# Altium PCB DL-5新款球锁 - 拼板-20201231.PcbDoc (part 3 of 9)
Units mm, origin at the board's own origin, x right, y up, seen from the top; angles counter-clockwise.
Board outline 55.99 x 50 mm, 4 copper layers (Top Layer, POWER, GND, Bottom Layer); 388 components, 70 nets, 1224 pads, 536 vias.
Unrouted connection lines stored in the file: 276.
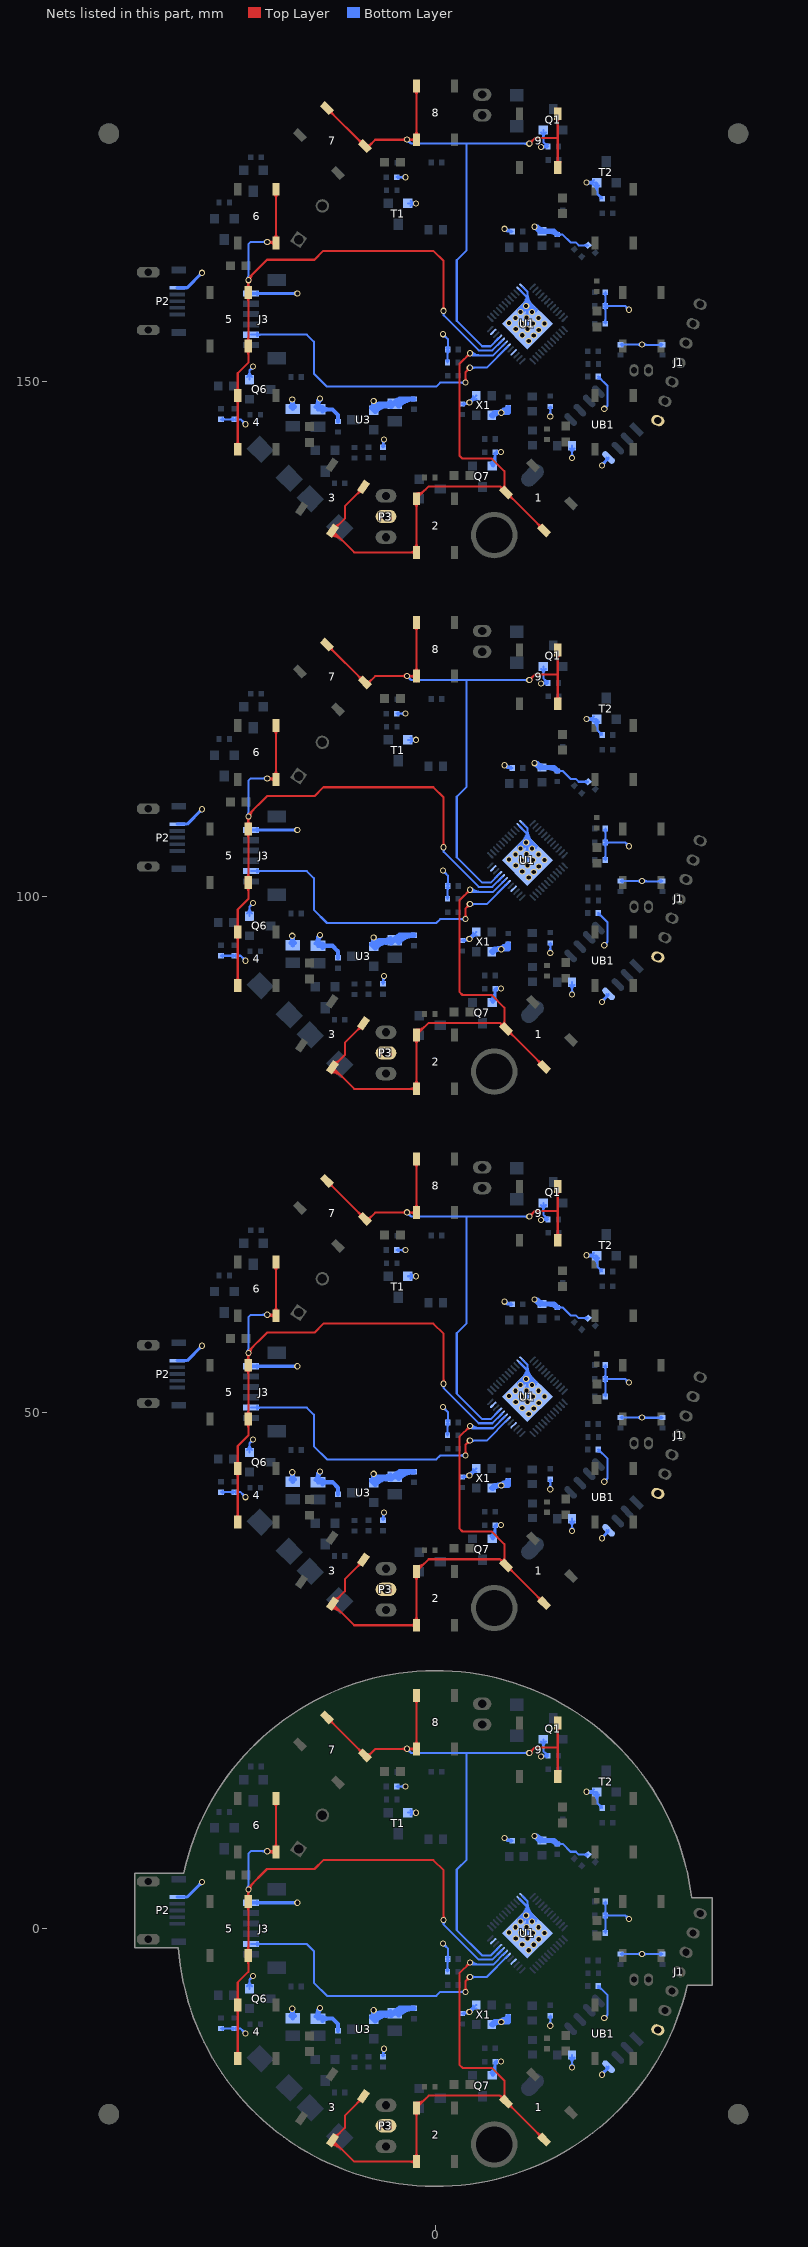
[diagram p5: the nets of this part, all layers, seen from the top]

## Via types
v1: diameter 0.6, hole 0.4, Top Layer to Bottom Layer, 440 vias
v2: diameter 0.6, hole 0.4, Top Layer to Bottom Layer, tented both sides, 48 vias
v3: diameter 0.61, hole 0.406, Top Layer to Bottom Layer, 24 vias
v4: diameter 0.61, hole 0.4, Top Layer to Bottom Layer, 16 vias
v5: diameter 0.61, hole 0.406, Top Layer to Bottom Layer, tented both sides, 8 vias

## Nets (pads, with @x,y where several pads share a name; then routed paths per layer and width w, separated by ;. In a path a pad name is that pad's centre, name@x,y a point inside that pad or via, vN(x,y) a via of type N, cw(c..) or ccw(c..) an arc to the next point about the centre after c; other vN are vias at no path point) (continued)
GND: (continued)
  Bottom Layer w0.4: C6.2@-14.066,-8.485 ccw(c-14.592,-7.959) -13.848,-7.959 ccw(c-13.105,-7.959) C6.2@-13.631,-8.485 ; C6.2@-14.066,43.515 ccw(c-14.592,44.041) -13.848,44.041 ccw(c-13.105,44.041) C6.2@-13.631,43.515 ; C6.2@-14.066,95.515 ccw(c-14.592,96.041) -13.848,96.041 ccw(c-13.105,96.041) C6.2@-13.631,95.515 ; C6.2@-14.066,147.515 ccw(c-14.592,148.041) -13.848,148.041 ccw(c-13.105,148.041) C6.2@-13.631,147.515 ; v1@-13.976,-7.835 cw(c-14.269,-8.072) -13.905,-8.17 ; v1@-13.976,44.165 cw(c-14.269,43.928) -13.905,43.83 ; v1@-13.976,96.165 cw(c-14.269,95.928) -13.905,95.83 ; v1@-13.976,148.165 cw(c-14.269,147.928) -13.905,147.83 ; v1@-13.969,-7.843 cw(c-14.259,-8.134) -13.848,-8.134 ; v1@-13.969,44.157 cw(c-14.259,43.866) -13.848,43.866 ; v1@-13.969,96.157 cw(c-14.259,95.866) -13.848,95.866 ; v1@-13.969,148.157 cw(c-14.259,147.866) -13.848,147.866 ; v1(-13.898,-7.772) -13.848,-7.822 C6.2@-13.848,-8.702 ; v1(-13.898,44.228) -13.848,44.178 C6.2@-13.848,43.298 ; v1(-13.898,96.228) -13.848,96.178 C6.2@-13.848,95.298 ; v1(-13.898,148.228) -13.848,148.178 C6.2@-13.848,147.298 ; C2.2@-11.615,-8.518 ccw(c-12.141,-7.992) -11.398,-7.992 ccw(c-10.654,-7.992) C2.2@-11.18,-8.518 ; C2.2@-11.615,43.482 ccw(c-12.141,44.008) -11.398,44.008 ccw(c-10.654,44.008) C2.2@-11.18,43.482 ; C2.2@-11.615,95.482 ccw(c-12.141,96.008) -11.398,96.008 ccw(c-10.654,96.008) C2.2@-11.18,95.482 ; C2.2@-11.615,147.482 ccw(c-12.141,148.008) -11.398,148.008 ccw(c-10.654,148.008) C2.2@-11.18,147.482 ; -11.441,-8.155 cw(c-10.85,-8.313) v1@-11.156,-7.783 ; -11.441,43.845 cw(c-10.85,43.687) v1@-11.156,44.217 ; -11.441,95.845 cw(c-10.85,95.687) v1@-11.156,96.217 ; -11.441,147.845 cw(c-10.85,147.687) v1@-11.156,148.217 ; C2.2@-11.398,-8.401 cw(c-10.501,-8.401) v1@-11.135,-7.767 ; C2.2@-11.398,43.599 cw(c-10.501,43.599) v1@-11.135,44.233 ; C2.2@-11.398,95.599 cw(c-10.501,95.599) v1@-11.135,96.233 ; C2.2@-11.398,147.599 cw(c-10.501,147.599) v1@-11.135,148.233 ; v1(-11.206,-7.696) -11.398,-7.888 C2.2@-11.398,-8.736 -9.988,-8.736 -9.453,-9.271 C3.2@-9.453,-9.906 ; v1(-11.206,44.304) -11.398,44.112 C2.2@-11.398,43.264 -9.988,43.264 -9.453,42.729 C3.2@-9.453,42.094 ; v1(-11.206,96.304) -11.398,96.112 C2.2@-11.398,95.264 -9.988,95.264 -9.453,94.729 C3.2@-9.453,94.094 ; v1(-11.206,148.304) -11.398,148.112 C2.2@-11.398,147.264 -9.988,147.264 -9.453,146.729 C3.2@-9.453,146.094 ; C2.2@-10.977,-8.954 cw(c-10.451,-9.48) -10.451,-8.736 cw(c-10.451,-7.992) C2.2@-10.977,-8.518 ; C2.2@-10.977,43.046 cw(c-10.451,42.52) -10.451,43.264 cw(c-10.451,44.008) C2.2@-10.977,43.482 ; C2.2@-10.977,95.046 cw(c-10.451,94.52) -10.451,95.264 cw(c-10.451,96.008) C2.2@-10.977,95.482 ; C2.2@-10.977,147.046 cw(c-10.451,146.52) -10.451,147.264 cw(c-10.451,148.008) C2.2@-10.977,147.482
  Bottom Layer w0.5: U3.1@-6.206,-8.597 cw(c-5.286,-9.516) -5.286,-8.216 ; U3.1@-6.206,43.403 cw(c-5.286,42.484) -5.286,43.784 ; U3.1@-6.206,95.403 cw(c-5.286,94.484) -5.286,95.784 ; U3.1@-6.206,147.403 cw(c-5.286,146.484) -5.286,147.784 ; U3.1@-6.145,-8.657 ccw(c-6.499,-8.303) -5.999,-8.303 ccw(c-5.498,-8.303) U3.1@-5.852,-8.657 ; U3.1@-6.145,43.343 ccw(c-6.499,43.697) -5.999,43.697 ccw(c-5.498,43.697) U3.1@-5.852,43.343 ; U3.1@-6.145,95.343 ccw(c-6.499,95.697) -5.999,95.697 ccw(c-5.498,95.697) U3.1@-5.852,95.343 ; U3.1@-6.145,147.343 ccw(c-6.499,147.697) -5.999,147.697 ccw(c-5.498,147.697) U3.1@-5.852,147.343 ; U3.1@-5.999,-8.596 ccw(c-5.999,-8.096) -5.645,-8.45 ccw(c-5.291,-8.804) U3.1@-5.792,-8.804 ; v1(-5.999,-7.925) U3.1@-5.999,-8.804 -5.411,-8.216 C4.2@-3.967,-8.216 -3.473,-7.722 C5.2@-2.087,-7.722 ccw(c-2.087,-9.708) C4.2@-3.571,-8.387 ; U3.1@-5.999,43.404 ccw(c-5.999,43.904) -5.645,43.55 ccw(c-5.291,43.196) U3.1@-5.792,43.196 ; v1(-5.999,44.075) U3.1@-5.999,43.196 -5.411,43.784 C4.2@-3.967,43.784 -3.473,44.278 C5.2@-2.087,44.278 ccw(c-2.087,42.292) C4.2@-3.571,43.613 ; U3.1@-5.999,95.404 ccw(c-5.999,95.904) -5.645,95.55 ccw(c-5.291,95.196) U3.1@-5.792,95.196 ; v1(-5.999,96.075) U3.1@-5.999,95.196 -5.411,95.784 C4.2@-3.967,95.784 -3.473,96.278 C5.2@-2.087,96.278 ccw(c-2.087,94.292) C4.2@-3.571,95.613 ; U3.1@-5.999,147.404 ccw(c-5.999,147.904) -5.645,147.55 ccw(c-5.291,147.196) U3.1@-5.792,147.196 ; v1(-5.999,148.075) U3.1@-5.999,147.196 -5.411,147.784 C4.2@-3.967,147.784 -3.473,148.278 C5.2@-2.087,148.278 ccw(c-2.087,146.292) C4.2@-3.571,147.613 ; U3.1@-5.852,-8.95 cw(c-4.079,-10.723) C4.2@-4.079,-8.216 ; U3.1@-5.852,43.05 cw(c-4.079,41.277) C4.2@-4.079,43.784 ; U3.1@-5.852,95.05 cw(c-4.079,93.277) C4.2@-4.079,95.784 ; U3.1@-5.852,147.05 cw(c-4.079,145.277) C4.2@-4.079,147.784 ; -4.82,-8.414 ccw(c-5.002,-7.735) C4.2@-4.393,-8.087 ; -4.82,43.586 ccw(c-5.002,44.265) C4.2@-4.393,43.913 ; -4.82,95.586 ccw(c-5.002,96.265) C4.2@-4.393,95.913 ; -4.82,147.586 ccw(c-5.002,148.265) C4.2@-4.393,147.913 ; -4.71,-8.385 cw(c-4.57,-8.909) C4.2@-4.299,-8.439 ; -4.71,43.615 cw(c-4.57,43.091) C4.2@-4.299,43.561 ; -4.71,95.615 cw(c-4.57,95.091) C4.2@-4.299,95.561 ; -4.71,147.615 cw(c-4.57,147.091) C4.2@-4.299,147.561 ; C4.2@-4.352,-8.398 ccw(c-4.793,-8.838) -4.793,-8.216 ccw(c-4.793,-7.593) C4.2@-4.352,-8.033 ; C4.2@-4.352,43.602 ccw(c-4.793,43.162) -4.793,43.784 ccw(c-4.793,44.407) C4.2@-4.352,43.967 ; C4.2@-4.352,95.602 ccw(c-4.793,95.162) -4.793,95.784 ccw(c-4.793,96.407) C4.2@-4.352,95.967 ; C4.2@-4.352,147.602 ccw(c-4.793,147.162) -4.793,147.784 ccw(c-4.793,148.407) C4.2@-4.352,147.967 ; C4.2@-3.944,-8.055 cw(c-3.202,-8.716) -3.202,-7.722 ; C4.2@-3.944,43.945 cw(c-3.202,43.284) -3.202,44.278 ; C4.2@-3.944,95.945 cw(c-3.202,95.284) -3.202,96.278 ; C4.2@-3.944,147.945 cw(c-3.202,147.284) -3.202,148.278 ; X1.2@5.445,-9.307 5.709,-9.042 7.057,-9.042 C33.1@7.057,-8.56 ; X1.2@5.445,42.693 5.709,42.958 7.057,42.958 C33.1@7.057,43.44 ; X1.2@5.445,94.693 5.709,94.958 7.057,94.958 C33.1@7.057,95.44 ; X1.2@5.445,146.693 5.709,146.958 7.057,146.958 C33.1@7.057,147.44 ; X1.2@5.551,-9.363 cw(c6.324,-10.136) v1@6.324,-9.042 ; X1.2@5.551,42.637 cw(c6.324,41.864) v1@6.324,42.958 ; X1.2@5.551,94.637 cw(c6.324,93.864) v1@6.324,94.958 ; X1.2@5.551,146.637 cw(c6.324,145.864) v1@6.324,146.958 ; 5.857,-9.042 ccw(c5.857,-7.385) C33.1@7.029,-8.557 ; 5.857,42.958 ccw(c5.857,44.615) C33.1@7.029,43.443 ; 5.857,94.958 ccw(c5.857,96.615) C33.1@7.029,95.443 ; 5.857,146.958 ccw(c5.857,148.615) C33.1@7.029,147.443 ; v1@6.42,-9.079 cw(c6.833,-9.177) 6.61,-8.816 ; v1@6.42,42.921 cw(c6.833,42.823) 6.61,43.184 ; v1@6.42,94.921 cw(c6.833,94.823) 6.61,95.184 ; v1@6.42,146.921 cw(c6.833,146.823) 6.61,147.184 ; v1@9.697,8.917 ccw(c10.258,9.478) C41.2@10.258,8.684 ; v1@9.697,60.917 ccw(c10.258,61.478) C41.2@10.258,60.684 ; v1@9.697,112.917 ccw(c10.258,113.478) C41.2@10.258,112.684 ; v1@9.697,164.917 ccw(c10.258,165.478) C41.2@10.258,164.684 ; C41.2@10.108,8.527 ccw(c9.648,8.505) v1@9.648,8.966 ; C41.2@10.108,60.527 ccw(c9.648,60.505) v1@9.648,60.966 ; C41.2@10.108,112.527 ccw(c9.648,112.505) v1@9.648,112.966 ; C41.2@10.108,164.527 ccw(c9.648,164.505) v1@9.648,164.966 ; C41.2@10.109,8.515 ccw(c9.597,8.45) v1(9.597,8.966) v1@9.648,8.966 ; C41.2@10.109,60.515 ccw(c9.597,60.45) v1(9.597,60.966) v1@9.648,60.966 ; C41.2@10.109,112.515 ccw(c9.597,112.45) v1(9.597,112.966) v1@9.648,112.966 ; C41.2@10.109,164.515 ccw(c9.597,164.45) v1(9.597,164.966) v1@9.648,164.966 ; 10.974,8.534 cw(c10.974,7.397) C42.2@11.778,8.201 ; 10.974,60.534 cw(c10.974,59.397) C42.2@11.778,60.201 ; 10.974,112.534 cw(c10.974,111.397) C42.2@11.778,112.201 ; 10.974,164.534 cw(c10.974,163.397) C42.2@11.778,164.201 ; C42.2@11.807,8.204 11.476,8.534 C41.2@10.308,8.534 10.079,8.534 v1@9.648,8.966 ; C42.2@11.807,60.204 11.476,60.534 C41.2@10.308,60.534 10.079,60.534 v1@9.648,60.966 ; C42.2@11.807,112.204 11.476,112.534 C41.2@10.308,112.534 10.079,112.534 v1@9.648,112.966 ; C42.2@11.807,164.204 11.476,164.534 C41.2@10.308,164.534 10.079,164.534 v1@9.648,164.966
  other v1: 6.371,-9.068 9.038,-2.108 9.521,-1.575 8.403,-1.549 10.003,-1.041 7.768,-0.965 8.911,-0.965 9.419,-0.432 10.562,-0.432 8.301,-0.406 7.133,-0.381 7.743,0.127 9.978,0.127 8.809,0.152 6.371,42.932 9.038,49.892 9.521,50.425 8.403,50.451 10.003,50.959 7.768,51.035 8.911,51.035 9.419,51.568 10.562,51.568 8.301,51.594 7.133,51.619 7.743,52.127 9.978,52.127 8.809,52.152 6.371,94.932 9.038,101.892 9.521,102.425 8.403,102.451 10.003,102.959 7.768,103.035 8.911,103.035 9.419,103.568 10.562,103.568 8.301,103.594 7.133,103.619 7.743,104.127 9.978,104.127 8.809,104.152 6.371,146.932 9.038,153.892 9.521,154.425 8.403,154.451 10.003,154.959 7.768,155.035 8.911,155.035 9.419,155.568 10.562,155.568 8.301,155.594 7.133,155.619 7.743,156.127 9.978,156.127 8.809,156.152
INT_FP: J3.2 U1.6 | length 139.2
  Top Layer w0.2: v1@2.775,-6.005 ccw(c2.434,-5.664) 2.917,-5.664 ccw(c3.4,-5.664) v1@3.058,-6.005 ; v1@2.775,45.995 ccw(c2.434,46.336) 2.917,46.336 ccw(c3.4,46.336) v1@3.058,45.995 ; v1@2.775,97.995 ccw(c2.434,98.336) 2.917,98.336 ccw(c3.4,98.336) v1@3.058,97.995 ; v1@2.775,149.995 ccw(c2.434,150.336) 2.917,150.336 ccw(c3.4,150.336) v1@3.058,149.995 ; v1(2.917,-6.147) 2.917,-5.105 v1(3.323,-4.699) ; v1(2.917,45.853) 2.917,46.895 v1(3.323,47.301) ; v1(2.917,97.853) 2.917,98.895 v1(3.323,99.301) ; v1(2.917,149.853) 2.917,150.895 v1(3.323,151.301) ; v1@3.123,-4.699 cw(c2.64,-4.699) 2.982,-5.04 cw(c3.323,-5.382) v1@3.323,-4.899 ; v1@3.123,47.301 cw(c2.64,47.301) 2.982,46.96 cw(c3.323,46.618) v1@3.323,47.101 ; v1@3.123,99.301 cw(c2.64,99.301) 2.982,98.96 cw(c3.323,98.618) v1@3.323,99.101 ; v1@3.123,151.301 cw(c2.64,151.301) 2.982,150.96 cw(c3.323,150.618) v1@3.323,151.101
  Bottom Layer w0.2: J3.2@-17.904,-1.5 -12.474,-1.5 -11.79,-2.184 -11.79,-5.258 -10.52,-6.528 0.072,-6.528 0.453,-6.147 v1(2.917,-6.147) ; J3.2@-17.904,50.5 -12.474,50.5 -11.79,49.816 -11.79,46.742 -10.52,45.472 0.072,45.472 0.453,45.853 v1(2.917,45.853) ; J3.2@-17.904,102.5 -12.474,102.5 -11.79,101.816 -11.79,98.742 -10.52,97.472 0.072,97.472 0.453,97.853 v1(2.917,97.853) ; J3.2@-17.904,154.5 -12.474,154.5 -11.79,153.816 -11.79,150.742 -10.52,149.472 0.072,149.472 0.453,149.853 v1(2.917,149.853) ; J3.2@-17.287,-1.641 cw(c-16.946,-1.983) -16.946,-1.5 cw(c-16.946,-1.017) J3.2@-17.287,-1.359 ; J3.2@-17.287,50.359 cw(c-16.946,50.017) -16.946,50.5 cw(c-16.946,50.983) J3.2@-17.287,50.641 ; J3.2@-17.287,102.359 cw(c-16.946,102.017) -16.946,102.5 cw(c-16.946,102.983) J3.2@-17.287,102.641 ; J3.2@-17.287,154.359 cw(c-16.946,154.017) -16.946,154.5 cw(c-16.946,154.983) J3.2@-17.287,154.641 ; v1@2.775,-6.288 ccw(c2.434,-6.63) 2.434,-6.147 ccw(c2.434,-5.664) v1@2.775,-6.005 ; v1@2.775,45.712 ccw(c2.434,45.37) 2.434,45.853 ccw(c2.434,46.336) v1@2.775,45.995 ; v1@2.775,97.712 ccw(c2.434,97.37) 2.434,97.853 ccw(c2.434,98.336) v1@2.775,97.995 ; v1@2.775,149.712 ccw(c2.434,149.37) 2.434,149.853 ccw(c2.434,150.336) v1@2.775,149.995 ; v1(3.323,-4.699) 4.952,-4.699 U1.6@7.002,-2.649 ; v1(3.323,47.301) 4.952,47.301 U1.6@7.002,49.351 ; v1(3.323,99.301) 4.952,99.301 U1.6@7.002,101.351 ; v1(3.323,151.301) 4.952,151.301 U1.6@7.002,153.351 ; v1@3.465,-4.84 cw(c3.806,-5.182) 3.806,-4.699 cw(c3.806,-4.216) v1@3.465,-4.558 ; v1@3.465,47.16 cw(c3.806,46.818) 3.806,47.301 cw(c3.806,47.784) v1@3.465,47.442 ; v1@3.465,99.16 cw(c3.806,98.818) 3.806,99.301 cw(c3.806,99.784) v1@3.465,99.442 ; v1@3.465,151.16 cw(c3.806,150.818) 3.806,151.301 cw(c3.806,151.784) v1@3.465,151.442
IRQ_RF: U1.4
IRQ_TSM12: U1.11
KEYX_1: 1.2 2.2 3.2 U1.7 | length 281.7
  Top Layer w0.2: 3.2@-10.137,-20.987 cw(c-10.137,-22.515) -9.056,-21.435 ; 3.2@-10.137,-20.787 cw(c-10.137,-21.833) -9.398,-21.093 ; 3.2@-10.137,-20.587 cw(c-10.137,-21.15) 3.2@-9.739,-20.752 ; 3.2@-10.137,31.013 cw(c-10.137,29.485) -9.056,30.565 ; 3.2@-10.137,31.213 cw(c-10.137,30.167) -9.398,30.907 ; 3.2@-10.137,31.413 cw(c-10.137,30.85) 3.2@-9.739,31.248 ; 3.2@-10.137,83.013 cw(c-10.137,81.485) -9.056,82.565 ; 3.2@-10.137,83.213 cw(c-10.137,82.167) -9.398,82.907 ; 3.2@-10.137,83.413 cw(c-10.137,82.85) 3.2@-9.739,83.248 ; 3.2@-10.137,135.013 cw(c-10.137,133.485) -9.056,134.565 ; 3.2@-10.137,135.213 cw(c-10.137,134.167) -9.398,134.907 ; 3.2@-10.137,135.413 cw(c-10.137,134.85) 3.2@-9.739,135.248 ; 3.2@-9.821,-20.037 ccw(c-9.821,-19.27) -9.279,-19.812 ; 3.2@-9.821,31.963 ccw(c-9.821,32.73) -9.279,32.188 ; 3.2@-9.821,83.963 ccw(c-9.821,84.73) -9.279,84.188 ; 3.2@-9.821,135.963 ccw(c-9.821,136.73) -9.279,136.188 ; 3.2@-9.571,-20.287 cw(c-9.131,-20.287) -9.442,-19.975 ; 3.2@-9.571,31.713 cw(c-9.131,31.713) -9.442,32.025 ; 3.2@-9.571,83.713 cw(c-9.131,83.713) -9.442,84.025 ; 3.2@-9.571,135.713 cw(c-9.131,135.713) -9.442,136.025 ; -7.595,-16.938 ccw(c-8.055,-16.478) 3.2@-7.404,-16.478 ; -7.595,35.062 ccw(c-8.055,35.522) 3.2@-7.404,35.522 ; -7.595,87.062 ccw(c-8.055,87.522) 3.2@-7.404,87.522 ; -7.595,139.062 ccw(c-8.055,139.522) 3.2@-7.404,139.522 ; -7.548,-16.89 cw(c-7.154,-17.284) 3.2@-7.154,-16.728 ; -7.548,35.11 cw(c-7.154,34.716) 3.2@-7.154,35.272 ; -7.548,87.11 cw(c-7.154,86.716) 3.2@-7.154,87.272 ; -7.548,139.11 cw(c-7.154,138.716) 3.2@-7.154,139.272 ; 3.2@-6.997,-16.252 -6.997,-16.339 -8.793,-18.136 -8.793,-19.325 3.2@-9.979,-20.512 -7.891,-22.6 2.2@-1.853,-22.6 2.2@-1.853,-17.4 -0.658,-16.205 6.265,-16.205 ; 3.2@-6.997,35.748 -6.997,35.661 -8.793,33.864 -8.793,32.675 3.2@-9.979,31.488 -7.891,29.4 2.2@-1.853,29.4 2.2@-1.853,34.6 -0.658,35.795 6.265,35.795 ; 3.2@-6.997,87.748 -6.997,87.661 -8.793,85.864 -8.793,84.675 3.2@-9.979,83.488 -7.891,81.4 2.2@-1.853,81.4 2.2@-1.853,86.6 -0.658,87.795 6.265,87.795 ; 3.2@-6.997,139.748 -6.997,139.661 -8.793,137.864 -8.793,136.675 3.2@-9.979,135.488 -7.891,133.4 2.2@-1.853,133.4 2.2@-1.853,138.6 -0.658,139.795 6.265,139.795 ; 2.2@-2.03,-22.777 ccw(c-2.457,-23.204) -2.457,-22.6 ccw(c-2.457,-21.996) 2.2@-2.03,-22.423 ; 2.2@-2.03,-22.148 ccw(c-2.457,-21.721) -1.853,-21.721 ccw(c-1.25,-21.721) 2.2@-1.677,-22.148 ; 2.2@-2.03,-17.852 cw(c-2.457,-18.279) -1.853,-18.279 cw(c-1.25,-18.279) 2.2@-1.677,-17.852 ; 2.2@-2.03,29.223 ccw(c-2.457,28.796) -2.457,29.4 ccw(c-2.457,30.004) 2.2@-2.03,29.577 ; 2.2@-2.03,29.852 ccw(c-2.457,30.279) -1.853,30.279 ccw(c-1.25,30.279) 2.2@-1.677,29.852 ; 2.2@-2.03,34.148 cw(c-2.457,33.721) -1.853,33.721 cw(c-1.25,33.721) 2.2@-1.677,34.148 ; 2.2@-2.03,81.223 ccw(c-2.457,80.796) -2.457,81.4 ccw(c-2.457,82.004) 2.2@-2.03,81.577 ; 2.2@-2.03,81.852 ccw(c-2.457,82.279) -1.853,82.279 ccw(c-1.25,82.279) 2.2@-1.677,81.852 ; 2.2@-2.03,86.148 cw(c-2.457,85.721) -1.853,85.721 cw(c-1.25,85.721) 2.2@-1.677,86.148 ; 2.2@-2.03,133.223 ccw(c-2.457,132.796) -2.457,133.4 ccw(c-2.457,134.004) 2.2@-2.03,133.577 ; 2.2@-2.03,133.852 ccw(c-2.457,134.279) -1.853,134.279 ccw(c-1.25,134.279) 2.2@-1.677,133.852 ; 2.2@-2.03,138.148 cw(c-2.457,137.721) -1.853,137.721 cw(c-1.25,137.721) 2.2@-1.677,138.148 ; 2.2@-1.853,-17.075 ccw(c-1.853,-16.29) -1.298,-16.845 ; 2.2@-1.853,-16.875 ccw(c-1.853,-15.608) -0.957,-16.504 ; 2.2@-1.853,34.925 ccw(c-1.853,35.71) -1.298,35.155 ; 2.2@-1.853,35.125 ccw(c-1.853,36.392) -0.957,35.496 ; 2.2@-1.853,86.925 ccw(c-1.853,87.71) -1.298,87.155 ; 2.2@-1.853,87.125 ccw(c-1.853,88.392) -0.957,87.496 ; 2.2@-1.853,138.925 ccw(c-1.853,139.71) -1.298,139.155 ; 2.2@-1.853,139.125 ccw(c-1.853,140.392) -0.957,139.496 ; v1@3.148,-3.302 cw(c2.666,-3.302) 3.007,-3.643 cw(c3.348,-3.985) v1@3.348,-3.502 ; v1@3.148,48.698 cw(c2.666,48.698) 3.007,48.357 cw(c3.348,48.015) v1@3.348,48.498 ; v1@3.148,100.698 cw(c2.666,100.698) 3.007,100.357 cw(c3.348,100.015) v1@3.348,100.498 ; v1@3.148,152.698 cw(c2.666,152.698) 3.007,152.357 cw(c3.348,152.015) v1@3.348,152.498 ; v1(3.348,-3.302) 2.307,-4.343 2.307,-13.208 2.612,-13.513 5.457,-13.513 6.676,-14.732 6.676,-16.616 1.2@6.85,-16.791 ; v1(3.348,48.698) 2.307,47.657 2.307,38.792 2.612,38.487 5.457,38.487 6.676,37.268 6.676,35.384 1.2@6.85,35.209 ; v1(3.348,100.698) 2.307,99.657 2.307,90.792 2.612,90.487 5.457,90.487 6.676,89.268 6.676,87.384 1.2@6.85,87.209 ; v1(3.348,152.698) 2.307,151.657 2.307,142.792 2.612,142.487 5.457,142.487 6.676,141.268 6.676,139.384 1.2@6.85,139.209 ; 1.2@6.406,-16.58 ccw(c5.921,-16.549) 6.265,-16.205 ; 1.2@6.406,35.42 ccw(c5.921,35.451) 6.265,35.795 ; 1.2@6.406,87.42 ccw(c5.921,87.451) 6.265,87.795 ; 1.2@6.406,139.42 ccw(c5.921,139.451) 6.265,139.795 ; 1.2@6.479,-16.419 ccw(c6.003,-15.944) 6.676,-15.944 ; 1.2@6.479,35.581 ccw(c6.003,36.056) 6.676,36.056 ; 1.2@6.479,87.581 ccw(c6.003,88.056) 6.676,88.056 ; 1.2@6.479,139.581 ccw(c6.003,140.056) 6.676,140.056 ; 1.2@6.64,-16.347 cw(c6.609,-15.861) 6.265,-16.205 ; 1.2@6.64,35.653 cw(c6.609,36.139) 6.265,35.795 ; 1.2@6.64,87.653 cw(c6.609,88.139) 6.265,87.795 ; 1.2@6.64,139.653 cw(c6.609,140.139) 6.265,139.795 ; 6.676,-16.042 ccw(c7.21,-16.042) 1.2@6.832,-16.419 ; 6.676,35.958 ccw(c7.21,35.958) 1.2@6.832,35.581 ; 6.676,87.958 ccw(c7.21,87.958) 1.2@6.832,87.581 ; 6.676,139.958 ccw(c7.21,139.958) 1.2@6.832,139.581 ; 1.2@7.045,-17.235 cw(c7.045,-17.839) 7.471,-17.412 cw(c7.898,-16.985) 1.2@7.295,-16.985 ; 1.2@7.045,34.765 cw(c7.045,34.161) 7.471,34.588 cw(c7.898,35.015) 1.2@7.295,35.015 ; 1.2@7.045,86.765 cw(c7.045,86.161) 7.471,86.588 cw(c7.898,87.015) 1.2@7.295,87.015 ; 1.2@7.045,138.765 cw(c7.045,138.161) 7.471,138.588 cw(c7.898,139.015) 1.2@7.295,139.015 ; 1.2@10.083,-20.273 ccw(c9.479,-20.273) 9.906,-19.846 ccw(c10.333,-19.42) 1.2@10.333,-20.023 ; 1.2@10.083,31.727 ccw(c9.479,31.727) 9.906,32.154 ccw(c10.333,32.58) 1.2@10.333,31.977 ; 1.2@10.083,83.727 ccw(c9.479,83.727) 9.906,84.154 ccw(c10.333,84.58) 1.2@10.333,83.977 ; 1.2@10.083,135.727 ccw(c9.479,135.727) 9.906,136.154 ccw(c10.333,136.58) 1.2@10.333,135.977 ; 1.2@10.527,-20.468 1.2@6.85,-16.791 ; 1.2@10.527,31.532 1.2@6.85,35.209 ; 1.2@10.527,83.532 1.2@6.85,87.209 ; 1.2@10.527,135.532 1.2@6.85,139.209 ; 6.265,-16.205 1.2@6.85,-16.791 ; 6.265,35.795 1.2@6.85,35.209 ; 6.265,87.795 1.2@6.85,87.209 ; 6.265,139.795 1.2@6.85,139.209
  Bottom Layer w0.2: v1@3.49,-3.161 ccw(c4.322,-2.329) 4.322,-3.505 ; v1@3.49,48.839 ccw(c4.322,49.671) 4.322,48.495 ; v1@3.49,100.839 ccw(c4.322,101.671) 4.322,100.495 ; v1@3.49,152.839 ccw(c4.322,153.671) 4.322,152.495 ; 3.839,-3.505 cw(c3.839,-2.811) v1(3.348,-3.302) 3.552,-3.505 5.58,-3.505 U1.7@6.719,-2.366 ; 3.839,48.495 cw(c3.839,49.189) v1(3.348,48.698) 3.552,48.495 5.58,48.495 U1.7@6.719,49.634 ; 3.839,100.495 cw(c3.839,101.189) v1(3.348,100.698) 3.552,100.495 5.58,100.495 U1.7@6.719,101.634 ; 3.839,152.495 cw(c3.839,153.189) v1(3.348,152.698) 3.552,152.495 5.58,152.495 U1.7@6.719,153.634
KEYX_2: 4.2 5.2 6.2 U1.8 | length 310.8
  Top Layer w0.2: 4.2@-19.35,-12.148 ccw(c-19.777,-11.721) -19.173,-11.721 ccw(c-18.57,-11.721) 4.2@-18.997,-12.148 ; 4.2@-19.35,-7.852 cw(c-19.777,-8.279) -19.173,-8.279 cw(c-18.57,-8.279) 4.2@-18.997,-7.852 ; 4.2@-19.35,-6.948 ccw(c-19.777,-6.521) -19.173,-6.521 ccw(c-18.57,-6.521) 4.2@-18.997,-6.948 ; 4.2@-19.35,39.852 ccw(c-19.777,40.279) -19.173,40.279 ccw(c-18.57,40.279) 4.2@-18.997,39.852 ; 4.2@-19.35,44.148 cw(c-19.777,43.721) -19.173,43.721 cw(c-18.57,43.721) 4.2@-18.997,44.148 ; 4.2@-19.35,45.052 ccw(c-19.777,45.479) -19.173,45.479 ccw(c-18.57,45.479) 4.2@-18.997,45.052 ; 4.2@-19.35,91.852 ccw(c-19.777,92.279) -19.173,92.279 ccw(c-18.57,92.279) 4.2@-18.997,91.852 ; 4.2@-19.35,96.148 cw(c-19.777,95.721) -19.173,95.721 cw(c-18.57,95.721) 4.2@-18.997,96.148 ; 4.2@-19.35,97.052 ccw(c-19.777,97.479) -19.173,97.479 ccw(c-18.57,97.479) 4.2@-18.997,97.052 ; 4.2@-19.35,143.852 ccw(c-19.777,144.279) -19.173,144.279 ccw(c-18.57,144.279) 4.2@-18.997,143.852 ; 4.2@-19.35,148.148 cw(c-19.777,147.721) -19.173,147.721 cw(c-18.57,147.721) 4.2@-18.997,148.148 ; 4.2@-19.35,149.052 ccw(c-19.777,149.479) -19.173,149.479 ccw(c-18.57,149.479) 4.2@-18.997,149.052 ; 4.2@-19.173,-12.6 4.2@-19.173,-7.4 -19.173,-5.224 -18.153,-4.204 5.2@-18.153,-2.6 5.2@-18.153,2.6 v1@-18.153,3.771 ; 4.2@-19.173,39.4 4.2@-19.173,44.6 -19.173,46.776 -18.153,47.796 5.2@-18.153,49.4 5.2@-18.153,54.6 v1@-18.153,55.771 ; 4.2@-19.173,91.4 4.2@-19.173,96.6 -19.173,98.776 -18.153,99.796 5.2@-18.153,101.4 5.2@-18.153,106.6 v1@-18.153,107.771 ; 4.2@-19.173,143.4 4.2@-19.173,148.6 -19.173,150.776 -18.153,151.796 5.2@-18.153,153.4 5.2@-18.153,158.6 v1@-18.153,159.771 ; 5.2@-18.33,-3.052 cw(c-18.757,-3.479) -18.153,-3.479 cw(c-17.55,-3.479) 5.2@-17.977,-3.052 ; 5.2@-18.33,-2.148 ccw(c-18.757,-1.721) -18.153,-1.721 ccw(c-17.55,-1.721) 5.2@-17.977,-2.148 ; 5.2@-18.33,2.148 cw(c-18.757,1.721) -18.153,1.721 cw(c-17.55,1.721) 5.2@-17.977,2.148 ; 5.2@-18.33,3.052 ccw(c-18.757,3.479) -18.153,3.479 ccw(c-17.55,3.479) 5.2@-17.977,3.052 ; 5.2@-18.33,48.948 cw(c-18.757,48.521) -18.153,48.521 cw(c-17.55,48.521) 5.2@-17.977,48.948 ; 5.2@-18.33,49.852 ccw(c-18.757,50.279) -18.153,50.279 ccw(c-17.55,50.279) 5.2@-17.977,49.852 ; 5.2@-18.33,54.148 cw(c-18.757,53.721) -18.153,53.721 cw(c-17.55,53.721) 5.2@-17.977,54.148 ; 5.2@-18.33,55.052 ccw(c-18.757,55.479) -18.153,55.479 ccw(c-17.55,55.479) 5.2@-17.977,55.052 ; 5.2@-18.33,100.948 cw(c-18.757,100.521) -18.153,100.521 cw(c-17.55,100.521) 5.2@-17.977,100.948 ; 5.2@-18.33,101.852 ccw(c-18.757,102.279) -18.153,102.279 ccw(c-17.55,102.279) 5.2@-17.977,101.852 ; 5.2@-18.33,106.148 cw(c-18.757,105.721) -18.153,105.721 cw(c-17.55,105.721) 5.2@-17.977,106.148 ; 5.2@-18.33,107.052 ccw(c-18.757,107.479) -18.153,107.479 ccw(c-17.55,107.479) 5.2@-17.977,107.052 ; 5.2@-18.33,152.948 cw(c-18.757,152.521) -18.153,152.521 cw(c-17.55,152.521) 5.2@-17.977,152.948 ; 5.2@-18.33,153.852 ccw(c-18.757,154.279) -18.153,154.279 ccw(c-17.55,154.279) 5.2@-17.977,153.852 ; 5.2@-18.33,158.148 cw(c-18.757,157.721) -18.153,157.721 cw(c-17.55,157.721) 5.2@-17.977,158.148 ; 5.2@-18.33,159.052 ccw(c-18.757,159.479) -18.153,159.479 ccw(c-17.55,159.479) 5.2@-17.977,159.052 ; v1@-18.281,3.643 cw(c-18.59,3.334) -18.153,3.334 ; v1@-18.281,55.643 cw(c-18.59,55.334) -18.153,55.334 ; v1@-18.281,107.643 cw(c-18.59,107.334) -18.153,107.334 ; v1@-18.281,159.643 cw(c-18.59,159.334) -18.153,159.334 ; -18.153,3.269 cw(c-17.625,3.269) v1@-17.998,3.643 ; -18.153,55.269 cw(c-17.625,55.269) v1@-17.998,55.643 ; -18.153,107.269 cw(c-17.625,107.269) v1@-17.998,107.643 ; -18.153,159.269 cw(c-17.625,159.269) v1@-17.998,159.643 ; -18.014,4.088 ccw(c-17.711,3.785) v1(-18.14,3.785) v1@-18.153,3.771 ; -18.014,56.088 ccw(c-17.711,55.785) v1(-18.14,55.785) v1@-18.153,55.771 ; -18.014,108.088 ccw(c-17.711,107.785) v1(-18.14,107.785) v1@-18.153,107.771 ; -18.014,160.088 ccw(c-17.711,159.785) v1(-18.14,159.785) v1@-18.153,159.771 ; v1@-17.94,3.785 cw(c-17.028,3.785) -17.673,4.43 ; v1@-17.94,55.785 cw(c-17.028,55.785) -17.673,56.43 ; v1@-17.94,107.785 cw(c-17.028,107.785) -17.673,108.43 ; v1@-17.94,159.785 cw(c-17.028,159.785) -17.673,160.43 ; v1(-16.311,7.493) -15.566,7.493 6.2@-15.473,7.4 6.2@-15.473,12.6 ; v1(-16.311,59.493) -15.566,59.493 6.2@-15.473,59.4 6.2@-15.473,64.6 ; v1(-16.311,111.493) -15.566,111.493 6.2@-15.473,111.4 6.2@-15.473,116.6 ; v1(-16.311,163.493) -15.566,163.493 6.2@-15.473,163.4 6.2@-15.473,168.6 ; v1@-16.301,7.493 cw(c-16.301,6.572) 6.2@-15.65,7.223 ; v1@-16.301,59.493 cw(c-16.301,58.572) 6.2@-15.65,59.223 ; v1@-16.301,111.493 cw(c-16.301,110.572) 6.2@-15.65,111.223 ; v1@-16.301,163.493 cw(c-16.301,162.572) 6.2@-15.65,163.223 ; v1@-16.209,7.321 cw(c-15.968,6.913) -15.845,7.371 ; v1@-16.209,59.321 cw(c-15.968,58.913) -15.845,59.371 ; v1@-16.209,111.321 cw(c-15.968,110.913) -15.845,111.371 ; v1@-16.209,163.321 cw(c-15.968,162.913) -15.845,163.371 ; v1@-16.17,7.352 cw(c-15.828,7.01) -15.828,7.493 cw(c-15.828,7.976) v1@-16.17,7.634 ; v1@-16.17,59.352 cw(c-15.828,59.01) -15.828,59.493 cw(c-15.828,59.976) v1@-16.17,59.634 ; v1@-16.17,111.352 cw(c-15.828,111.01) -15.828,111.493 cw(c-15.828,111.976) v1@-16.17,111.634 ; v1@-16.17,163.352 cw(c-15.828,163.01) -15.828,163.493 cw(c-15.828,163.976) v1@-16.17,163.634 ; v1@-16.138,7.593 ccw(c-15.727,7.83) -15.85,7.372 ; v1@-16.138,59.593 ccw(c-15.727,59.83) -15.85,59.372 ; v1@-16.138,111.593 ccw(c-15.727,111.83) -15.85,111.372 ; v1@-16.138,163.593 ccw(c-15.727,163.83) -15.85,163.372 ; -15.852,7.493 ccw(c-15.852,7.779) 6.2@-15.65,7.577 ; -15.852,59.493 ccw(c-15.852,59.779) 6.2@-15.65,59.577 ; -15.852,111.493 ccw(c-15.852,111.779) 6.2@-15.65,111.577 ; -15.852,163.493 ccw(c-15.852,163.779) 6.2@-15.65,163.577 ; 6.2@-15.819,7.493 cw(c-15.819,7.055) 6.2@-15.509,7.365 ; 6.2@-15.819,59.493 cw(c-15.819,59.055) 6.2@-15.509,59.365 ; 6.2@-15.819,111.493 cw(c-15.819,111.055) 6.2@-15.509,111.365 ; 6.2@-15.819,163.493 cw(c-15.819,163.055) 6.2@-15.509,163.365 ; 6.2@-15.65,7.852 ccw(c-16.077,8.279) -15.473,8.279 ccw(c-14.87,8.279) 6.2@-15.297,7.852 ; 6.2@-15.65,12.148 cw(c-16.077,11.721) -15.473,11.721 cw(c-14.87,11.721) 6.2@-15.297,12.148 ; 6.2@-15.65,59.852 ccw(c-16.077,60.279) -15.473,60.279 ccw(c-14.87,60.279) 6.2@-15.297,59.852 ; 6.2@-15.65,64.148 cw(c-16.077,63.721) -15.473,63.721 cw(c-14.87,63.721) 6.2@-15.297,64.148 ; 6.2@-15.65,111.852 ccw(c-16.077,112.279) -15.473,112.279 ccw(c-14.87,112.279) 6.2@-15.297,111.852 ; 6.2@-15.65,116.148 cw(c-16.077,115.721) -15.473,115.721 cw(c-14.87,115.721) 6.2@-15.297,116.148 ; 6.2@-15.65,163.852 ccw(c-16.077,164.279) -15.473,164.279 ccw(c-14.87,164.279) 6.2@-15.297,163.852 ; 6.2@-15.65,168.148 cw(c-16.077,167.721) -15.473,167.721 cw(c-14.87,167.721) 6.2@-15.297,168.148 ; v1@0.642,0.954 ccw(c0.3,1.296) 0.783,1.296 ccw(c1.266,1.296) v1@0.925,0.954 ; v1@0.642,52.954 ccw(c0.3,53.296) 0.783,53.296 ccw(c1.266,53.296) v1@0.925,52.954 ; v1@0.642,104.954 ccw(c0.3,105.296) 0.783,105.296 ccw(c1.266,105.296) v1@0.925,104.954 ; v1@0.642,156.954 ccw(c0.3,157.296) 0.783,157.296 ccw(c1.266,157.296) v1@0.925,156.954 ; v1(0.783,0.813) 0.783,5.641 -0.206,6.629 -10.872,6.629 -11.734,5.767 -16.336,5.767 -18.153,3.949 v1@-18.153,3.771 ; v1(0.783,52.813) 0.783,57.641 -0.206,58.629 -10.872,58.629 -11.734,57.767 -16.336,57.767 -18.153,55.949 v1@-18.153,55.771 ; v1(0.783,104.813) 0.783,109.641 -0.206,110.629 -10.872,110.629 -11.734,109.767 -16.336,109.767 -18.153,107.949 v1@-18.153,107.771 ; v1(0.783,156.813) 0.783,161.641 -0.206,162.629 -10.872,162.629 -11.734,161.767 -16.336,161.767 -18.153,159.949 v1@-18.153,159.771
  Bottom Layer w0.2: v1@-18.281,3.926 ccw(c-18.623,4.267) -18.14,4.267 ccw(c-17.657,4.267) v1@-17.998,3.926 ; v1@-18.281,55.926 ccw(c-18.623,56.267) -18.14,56.267 ccw(c-17.657,56.267) v1@-17.998,55.926 ; v1@-18.281,107.926 ccw(c-18.623,108.267) -18.14,108.267 ccw(c-17.657,108.267) v1@-17.998,107.926 ; v1@-18.281,159.926 ccw(c-18.623,160.267) -18.14,160.267 ccw(c-17.657,160.267) v1@-17.998,159.926 ; v1(-18.14,3.785) -18.14,7.264 -17.911,7.493 v1(-16.311,7.493) ; v1(-18.14,55.785) -18.14,59.264 -17.911,59.493 v1(-16.311,59.493) ; v1(-18.14,107.785) -18.14,111.264 -17.911,111.493 v1(-16.311,111.493) ; v1(-18.14,159.785) -18.14,163.264 -17.911,163.493 v1(-16.311,163.493) ; v1@-16.453,7.352 ccw(c-16.794,7.01) -16.794,7.493 ccw(c-16.794,7.976) v1@-16.453,7.634 ; v1@-16.453,59.352 ccw(c-16.794,59.01) -16.794,59.493 ccw(c-16.794,59.976) v1@-16.453,59.634 ; v1@-16.453,111.352 ccw(c-16.794,111.01) -16.794,111.493 ccw(c-16.794,111.976) v1@-16.453,111.634 ; v1@-16.453,163.352 ccw(c-16.794,163.01) -16.794,163.493 ccw(c-16.794,163.976) v1@-16.453,163.634 ; v1@0.654,0.66 cw(c0.417,0.381) 0.783,0.381 ; v1@0.654,52.66 cw(c0.417,52.381) 0.783,52.381 ; v1@0.654,104.66 cw(c0.417,104.381) 0.783,104.381 ; v1@0.654,156.66 cw(c0.417,156.381) 0.783,156.381 ; v1(0.783,0.813) 0.783,0.381 ; v1(0.783,52.813) 0.783,52.381 ; v1(0.783,104.813) 0.783,104.381 ; v1(0.783,156.813) 0.783,156.381 ; v1@0.912,0.66 ccw(c1.149,0.381) 0.783,0.381 ; v1@0.912,52.66 ccw(c1.149,52.381) 0.783,52.381 ; v1@0.912,104.66 ccw(c1.149,104.381) 0.783,104.381 ; v1@0.912,156.66 ccw(c1.149,156.381) 0.783,156.381 ; U1.8@6.436,-2.084 5.497,-3.023 4.187,-3.023 0.783,0.381 ; U1.8@6.436,49.916 5.497,48.977 4.187,48.977 0.783,52.381 ; U1.8@6.436,101.916 5.497,100.977 4.187,100.977 0.783,104.381 ; U1.8@6.436,153.916 5.497,152.977 4.187,152.977 0.783,156.381
KEYX_3: 7.2 8.2 9.2 U1.9 | length 284.5
  Top Layer w0.2: 7.2@-10.534,20.468 7.2@-6.857,16.791 7.2@-6.584,16.791 ; 7.2@-10.534,72.468 7.2@-6.857,68.791 7.2@-6.584,68.791 ; 7.2@-10.534,124.468 7.2@-6.857,120.791 7.2@-6.584,120.791 ; 7.2@-10.534,176.468 7.2@-6.857,172.791 7.2@-6.584,172.791 ; 7.2@-10.339,20.023 cw(c-10.339,19.42) -9.912,19.846 cw(c-9.486,20.273) 7.2@-10.089,20.273 ; 7.2@-10.339,72.023 cw(c-10.339,71.42) -9.912,71.846 cw(c-9.486,72.273) 7.2@-10.089,72.273 ; 7.2@-10.339,124.023 cw(c-10.339,123.42) -9.912,123.846 cw(c-9.486,124.273) 7.2@-10.089,124.273 ; 7.2@-10.339,176.023 cw(c-10.339,175.42) -9.912,175.846 cw(c-9.486,176.273) 7.2@-10.089,176.273 ; 7.2@-7.301,16.985 ccw(c-7.905,16.985) -7.478,17.412 ccw(c-7.051,17.839) 7.2@-7.051,17.235 ; 7.2@-7.301,68.985 ccw(c-7.905,68.985) -7.478,69.412 ccw(c-7.051,69.839) 7.2@-7.051,69.235 ; 7.2@-7.301,120.985 ccw(c-7.905,120.985) -7.478,121.412 ccw(c-7.051,121.839) 7.2@-7.051,121.235 ; 7.2@-7.301,172.985 ccw(c-7.905,172.985) -7.478,173.412 ccw(c-7.051,173.839) 7.2@-7.051,173.235 ; 7.2@-6.662,16.846 ccw(c-6.662,17.481) -6.213,17.032 ; 7.2@-6.662,68.846 ccw(c-6.662,69.481) -6.213,69.032 ; 7.2@-6.662,120.846 ccw(c-6.662,121.481) -6.213,121.032 ; 7.2@-6.662,172.846 ccw(c-6.662,173.481) -6.213,173.032 ; 7.2@-6.412,16.596 cw(c-5.84,16.596) -6.245,17.001 ; 7.2@-6.412,68.596 cw(c-5.84,68.596) -6.245,69.001 ; 7.2@-6.412,120.596 cw(c-5.84,120.596) -6.245,121.001 ; 7.2@-6.412,172.596 cw(c-5.84,172.596) -6.245,173.001 ; 7.2@-6.38,16.586 7.2@-6.584,16.791 ; 7.2@-6.38,68.586 7.2@-6.584,68.791 ; 7.2@-6.38,120.586 7.2@-6.584,120.791 ; 7.2@-6.38,172.586 7.2@-6.584,172.791 ; -3.315,17.4 ccw(c-3.315,17.966) v1@-2.914,17.566 ; -3.315,69.4 ccw(c-3.315,69.966) v1@-2.914,69.566 ; -3.315,121.4 ccw(c-3.315,121.966) v1@-2.914,121.566 ; -3.315,173.4 ccw(c-3.315,173.966) v1@-2.914,173.566 ; -3.197,17.4 cw(c-3.197,17) v1@-2.914,17.283 ; -3.197,69.4 cw(c-3.197,69) v1@-2.914,69.283 ; -3.197,121.4 cw(c-3.197,121) v1@-2.914,121.283 ; -3.197,173.4 cw(c-3.197,173) v1@-2.914,173.283 ; v1(-2.773,17.424) v1@-2.773,17.4 ; v1(-2.773,69.424) v1@-2.773,69.4 ; v1(-2.773,121.424) v1@-2.773,121.4 ; v1(-2.773,173.424) v1@-2.773,173.4 ; v1@-2.631,17.283 cw(c-2.349,17) -2.349,17.4 ; v1@-2.631,17.566 ccw(c-2.231,17.966) -2.231,17.4 ; v1@-2.631,69.283 cw(c-2.349,69) -2.349,69.4 ; v1@-2.631,69.566 ccw(c-2.231,69.966) -2.231,69.4 ; v1@-2.631,121.283 cw(c-2.349,121) -2.349,121.4 ; v1@-2.631,121.566 ccw(c-2.231,121.966) -2.231,121.4 ; v1@-2.631,173.283 cw(c-2.349,173) -2.349,173.4 ; v1@-2.631,173.566 ccw(c-2.231,173.966) -2.231,173.4 ; 8.2@-2.03,17.223 ccw(c-2.457,16.796) -2.457,17.4 ccw(c-2.457,18.004) 8.2@-2.03,17.577 ; 8.2@-2.03,17.852 ccw(c-2.457,18.279) -1.853,18.279 ccw(c-1.25,18.279) 8.2@-1.677,17.852 ; 8.2@-2.03,22.148 cw(c-2.457,21.721) -1.853,21.721 cw(c-1.25,21.721) 8.2@-1.677,22.148 ; 8.2@-2.03,69.223 ccw(c-2.457,68.796) -2.457,69.4 ccw(c-2.457,70.004) 8.2@-2.03,69.577 ; 8.2@-2.03,69.852 ccw(c-2.457,70.279) -1.853,70.279 ccw(c-1.25,70.279) 8.2@-1.677,69.852 ; 8.2@-2.03,74.148 cw(c-2.457,73.721) -1.853,73.721 cw(c-1.25,73.721) 8.2@-1.677,74.148 ; 8.2@-2.03,121.223 ccw(c-2.457,120.796) -2.457,121.4 ccw(c-2.457,122.004) 8.2@-2.03,121.577 ; 8.2@-2.03,121.852 ccw(c-2.457,122.279) -1.853,122.279 ccw(c-1.25,122.279) 8.2@-1.677,121.852 ; 8.2@-2.03,126.148 cw(c-2.457,125.721) -1.853,125.721 cw(c-1.25,125.721) 8.2@-1.677,126.148 ; 8.2@-2.03,173.223 ccw(c-2.457,172.796) -2.457,173.4 ccw(c-2.457,174.004) 8.2@-2.03,173.577 ; 8.2@-2.03,173.852 ccw(c-2.457,174.279) -1.853,174.279 ccw(c-1.25,174.279) 8.2@-1.677,173.852 ; 8.2@-2.03,178.148 cw(c-2.457,177.721) -1.853,177.721 cw(c-1.25,177.721) 8.2@-1.677,178.148 ; 8.2@-1.853,16.896 8.2@-1.853,17.4 ; 8.2@-1.853,22.6 8.2@-1.853,17.4 ; 8.2@-1.853,68.896 8.2@-1.853,69.4 ; 8.2@-1.853,74.6 8.2@-1.853,69.4 ; 8.2@-1.853,120.896 8.2@-1.853,121.4 ; 8.2@-1.853,126.6 8.2@-1.853,121.4 ; 8.2@-1.853,172.896 8.2@-1.853,173.4 ; 8.2@-1.853,178.6 8.2@-1.853,173.4 ; v1(9.089,17.018) 9.622,17.551 11.847,17.551 ; v1@9.089,17.218 ccw(c9.089,17.701) 9.43,17.359 ccw(c9.772,17.018) v1@9.289,17.018 ; v1(9.089,69.018) 9.622,69.551 11.847,69.551 ; v1@9.089,69.218 ccw(c9.089,69.701) 9.43,69.359 ccw(c9.772,69.018) v1@9.289,69.018 ; v1(9.089,121.018) 9.622,121.551 11.847,121.551 ; v1@9.089,121.218 ccw(c9.089,121.701) 9.43,121.359 ccw(c9.772,121.018) v1@9.289,121.018 ; v1(9.089,173.018) 9.622,173.551 11.847,173.551 ; v1@9.089,173.218 ccw(c9.089,173.701) 9.43,173.359 ccw(c9.772,173.018) v1@9.289,173.018 ; 9.2@11.67,15.173 ccw(c11.243,15.6) 11.847,15.6 ccw(c12.45,15.6) 9.2@12.023,15.173 ; 9.2@11.67,19.469 cw(c11.243,19.042) 11.847,19.042 cw(c12.45,19.042) 9.2@12.023,19.469 ; 9.2@11.67,67.173 ccw(c11.243,67.6) 11.847,67.6 ccw(c12.45,67.6) 9.2@12.023,67.173 ; 9.2@11.67,71.469 cw(c11.243,71.042) 11.847,71.042 cw(c12.45,71.042) 9.2@12.023,71.469 ; 9.2@11.67,119.173 ccw(c11.243,119.6) 11.847,119.6 ccw(c12.45,119.6) 9.2@12.023,119.173 ; 9.2@11.67,123.469 cw(c11.243,123.042) 11.847,123.042 cw(c12.45,123.042) 9.2@12.023,123.469 ; 9.2@11.67,171.173 ccw(c11.243,171.6) 11.847,171.6 ccw(c12.45,171.6) 9.2@12.023,171.173 ; 9.2@11.67,175.469 cw(c11.243,175.042) 11.847,175.042 cw(c12.45,175.042) 9.2@12.023,175.469 ; 9.2@11.847,14.721 11.847,17.551 ; 9.2@11.847,19.921 11.847,17.551 ; 9.2@11.847,66.721 11.847,69.551 ; 9.2@11.847,71.921 11.847,69.551 ; 9.2@11.847,118.721 11.847,121.551 ; 9.2@11.847,123.921 11.847,121.551 ; 9.2@11.847,170.721 11.847,173.551 ; 9.2@11.847,175.921 11.847,173.551 ; 7.2@-6.584,16.791 -6.455,16.791 -5.845,17.4 v1@-2.773,17.4 ; 7.2@-6.584,68.791 -6.455,68.791 -5.845,69.4 v1@-2.773,69.4 ; 7.2@-6.584,120.791 -6.455,120.791 -5.845,121.4 v1@-2.773,121.4 ; 7.2@-6.584,172.791 -6.455,172.791 -5.845,173.4 v1@-2.773,173.4 ; v1@-2.773,17.4 8.2@-1.853,17.4 ; v1@-2.773,69.4 8.2@-1.853,69.4 ; v1@-2.773,121.4 8.2@-1.853,121.4 ; v1@-2.773,173.4 8.2@-1.853,173.4
  Bottom Layer w0.2: v1@-2.773,17.224 cw(c-2.773,16.742) -2.431,17.083 cw(c-2.09,17.424) v1@-2.573,17.424 ; v1(-2.773,17.424) -2.367,17.018 3.069,17.018 ; v1@-2.773,69.224 cw(c-2.773,68.742) -2.431,69.083 cw(c-2.09,69.424) v1@-2.573,69.424 ; v1(-2.773,69.424) -2.367,69.018 3.069,69.018 ; v1@-2.773,121.224 cw(c-2.773,120.742) -2.431,121.083 cw(c-2.09,121.424) v1@-2.573,121.424 ; v1(-2.773,121.424) -2.367,121.018 3.069,121.018 ; v1@-2.773,173.224 cw(c-2.773,172.742) -2.431,173.083 cw(c-2.09,173.424) v1@-2.573,173.424 ; v1(-2.773,173.424) -2.367,173.018 3.069,173.018 ; U1.9@6.153,-1.801 5.334,-2.62 4.517,-2.62 2.054,-0.157 2.054,5.716 3.018,6.68 3.018,16.967 3.069,17.018 ; U1.9@6.153,50.199 5.334,49.38 4.517,49.38 2.054,51.843 2.054,57.716 3.018,58.68 3.018,68.967 3.069,69.018 ; U1.9@6.153,102.199 5.334,101.38 4.517,101.38 2.054,103.843 2.054,109.716 3.018,110.68 3.018,120.967 3.069,121.018 ; U1.9@6.153,154.199 5.334,153.38 4.517,153.38 2.054,155.843 2.054,161.716 3.018,162.68 3.018,172.967 3.069,173.018 ; v1@8.947,16.877 ccw(c8.606,16.535) 8.606,17.018 ccw(c8.606,17.501) v1@8.947,17.159 ; v1@8.947,68.877 ccw(c8.606,68.535) 8.606,69.018 ccw(c8.606,69.501) v1@8.947,69.159 ; v1@8.947,120.877 ccw(c8.606,120.535) 8.606,121.018 ccw(c8.606,121.501) v1@8.947,121.159 ; v1@8.947,172.877 ccw(c8.606,172.535) 8.606,173.018 ccw(c8.606,173.501) v1@8.947,173.159 ; v1(9.089,17.018) 3.069,17.018 ; v1(9.089,69.018) 3.069,69.018 ; v1(9.089,121.018) 3.069,121.018 ; v1(9.089,173.018) 3.069,173.018